# Altium PCB 1166V30.PcbDoc (part 1 of 6) (continued)
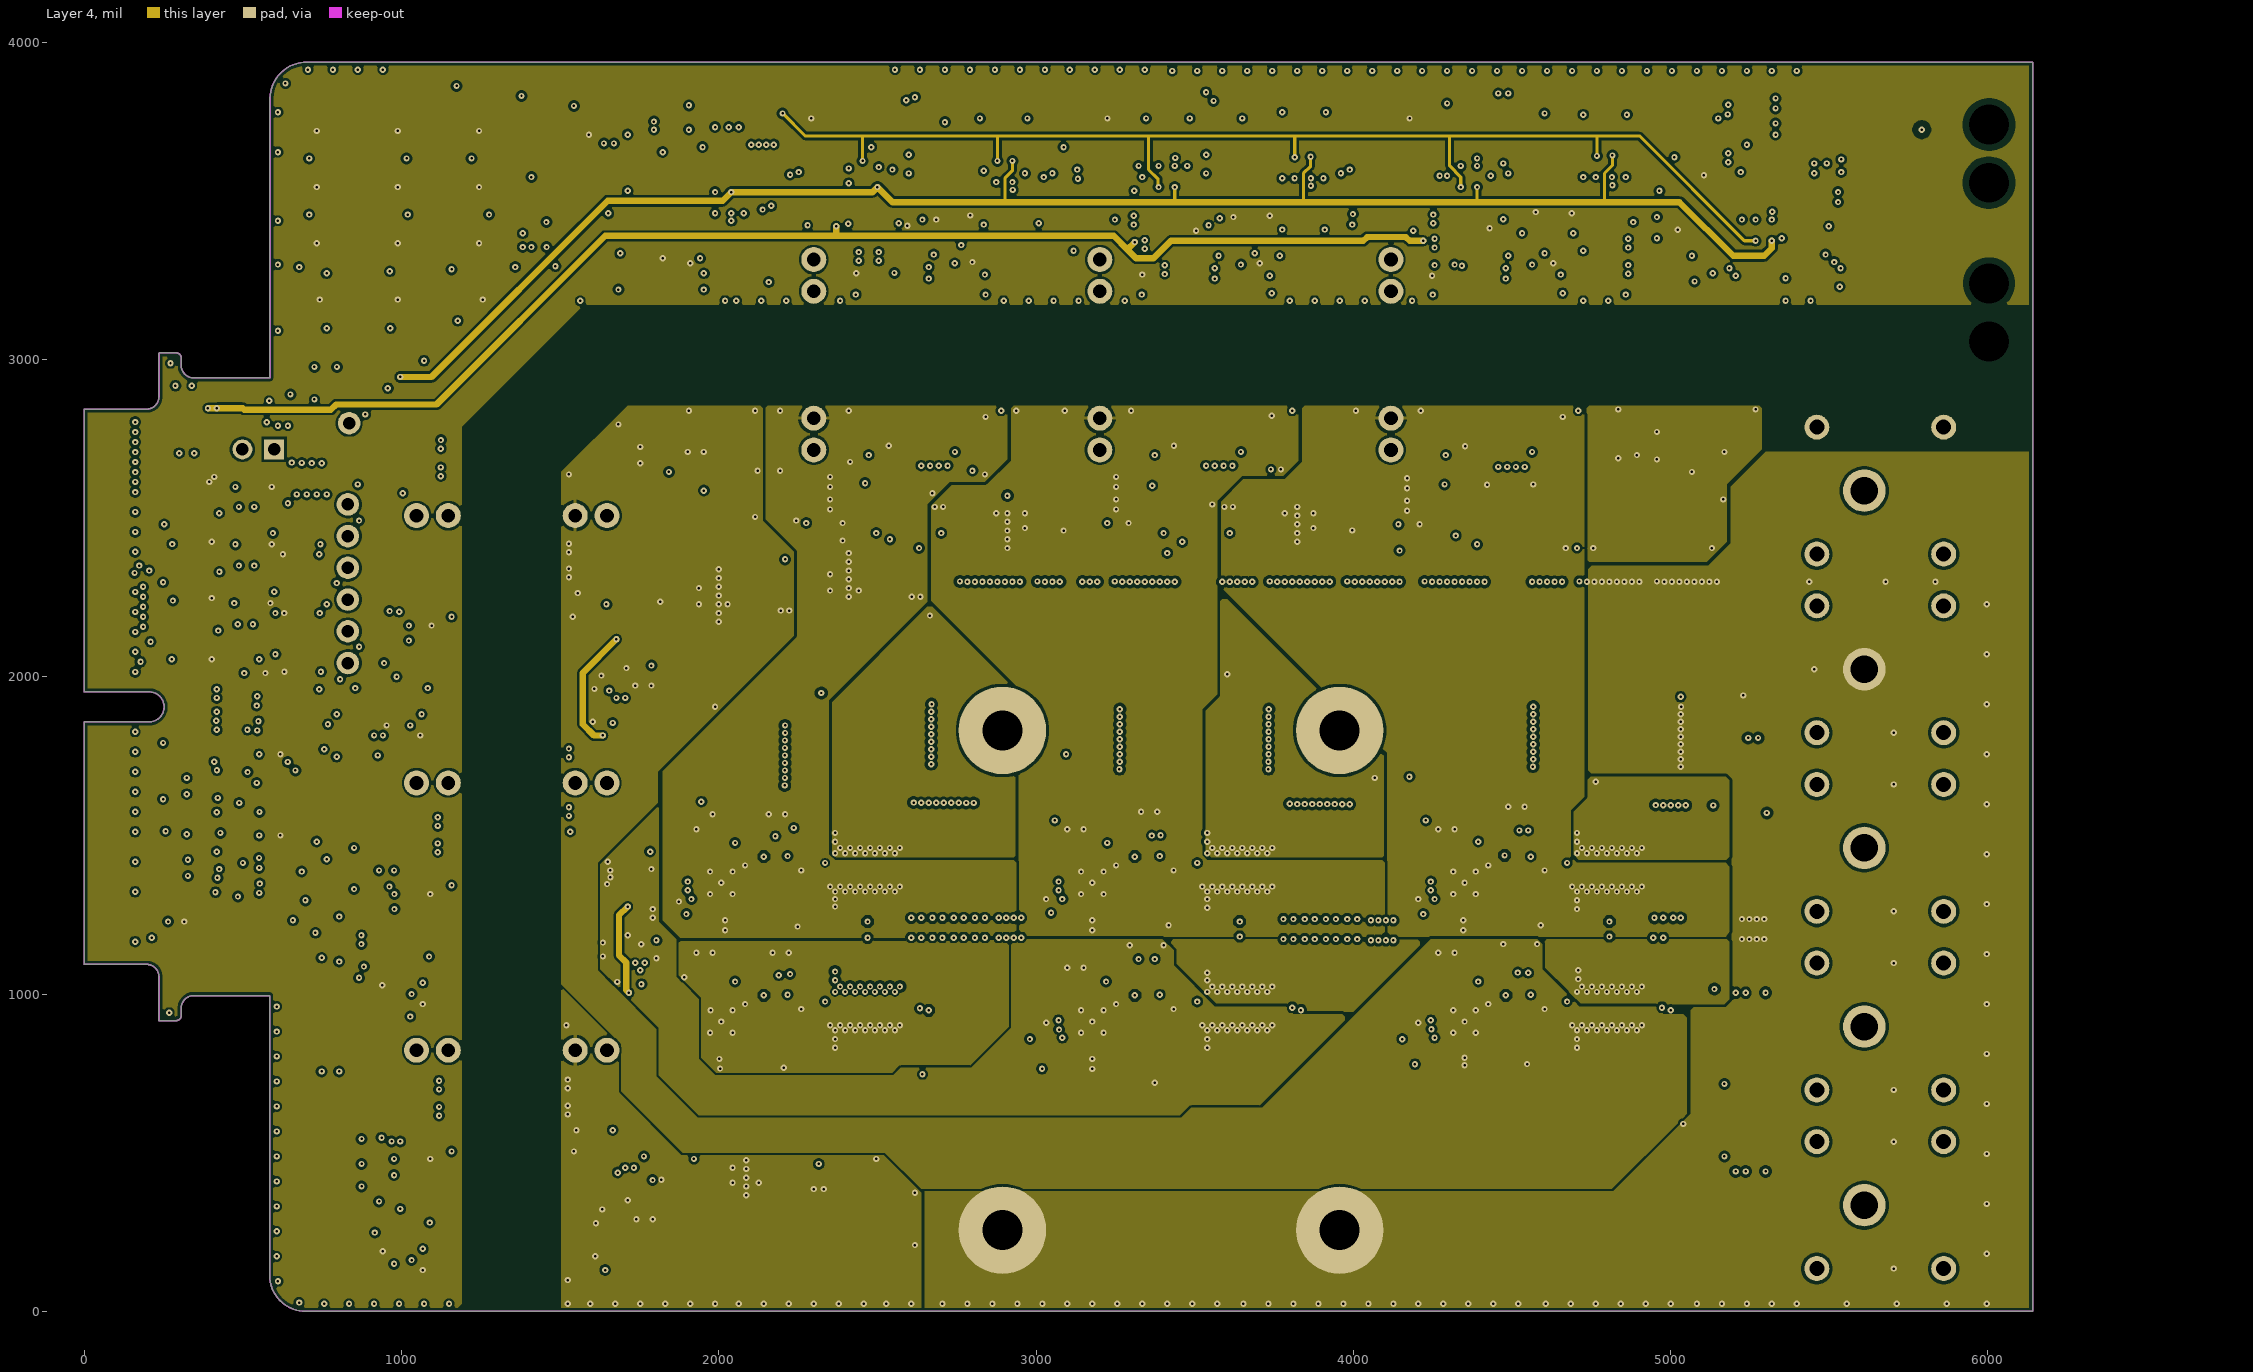
[diagram p5: Layer 4]
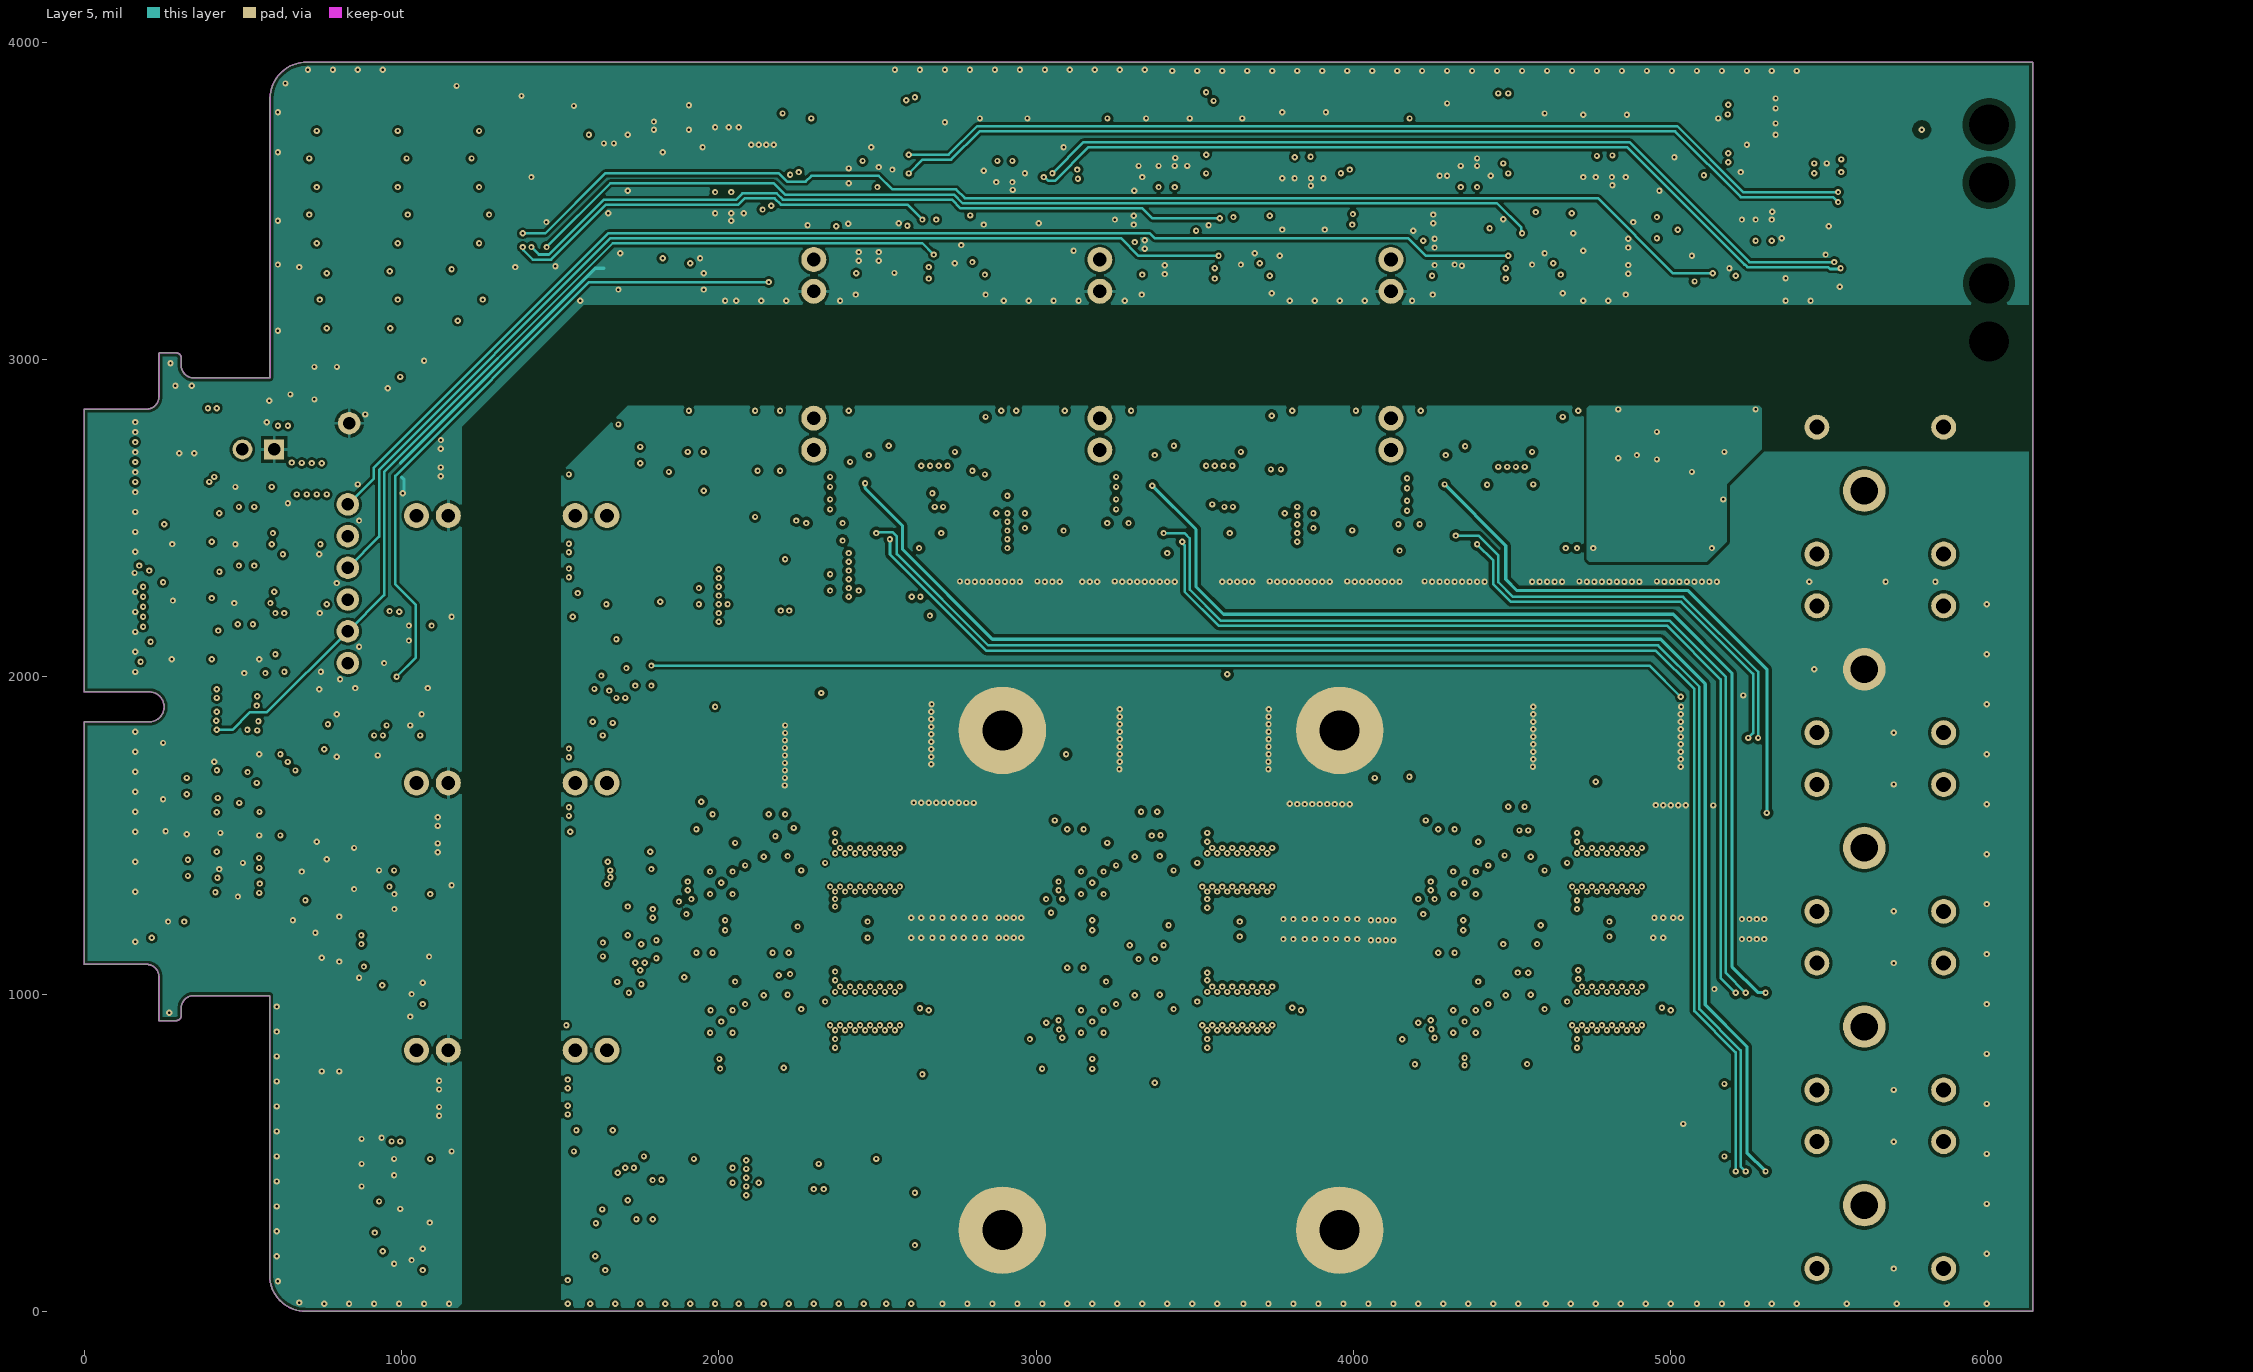
[diagram p6: Layer 5]
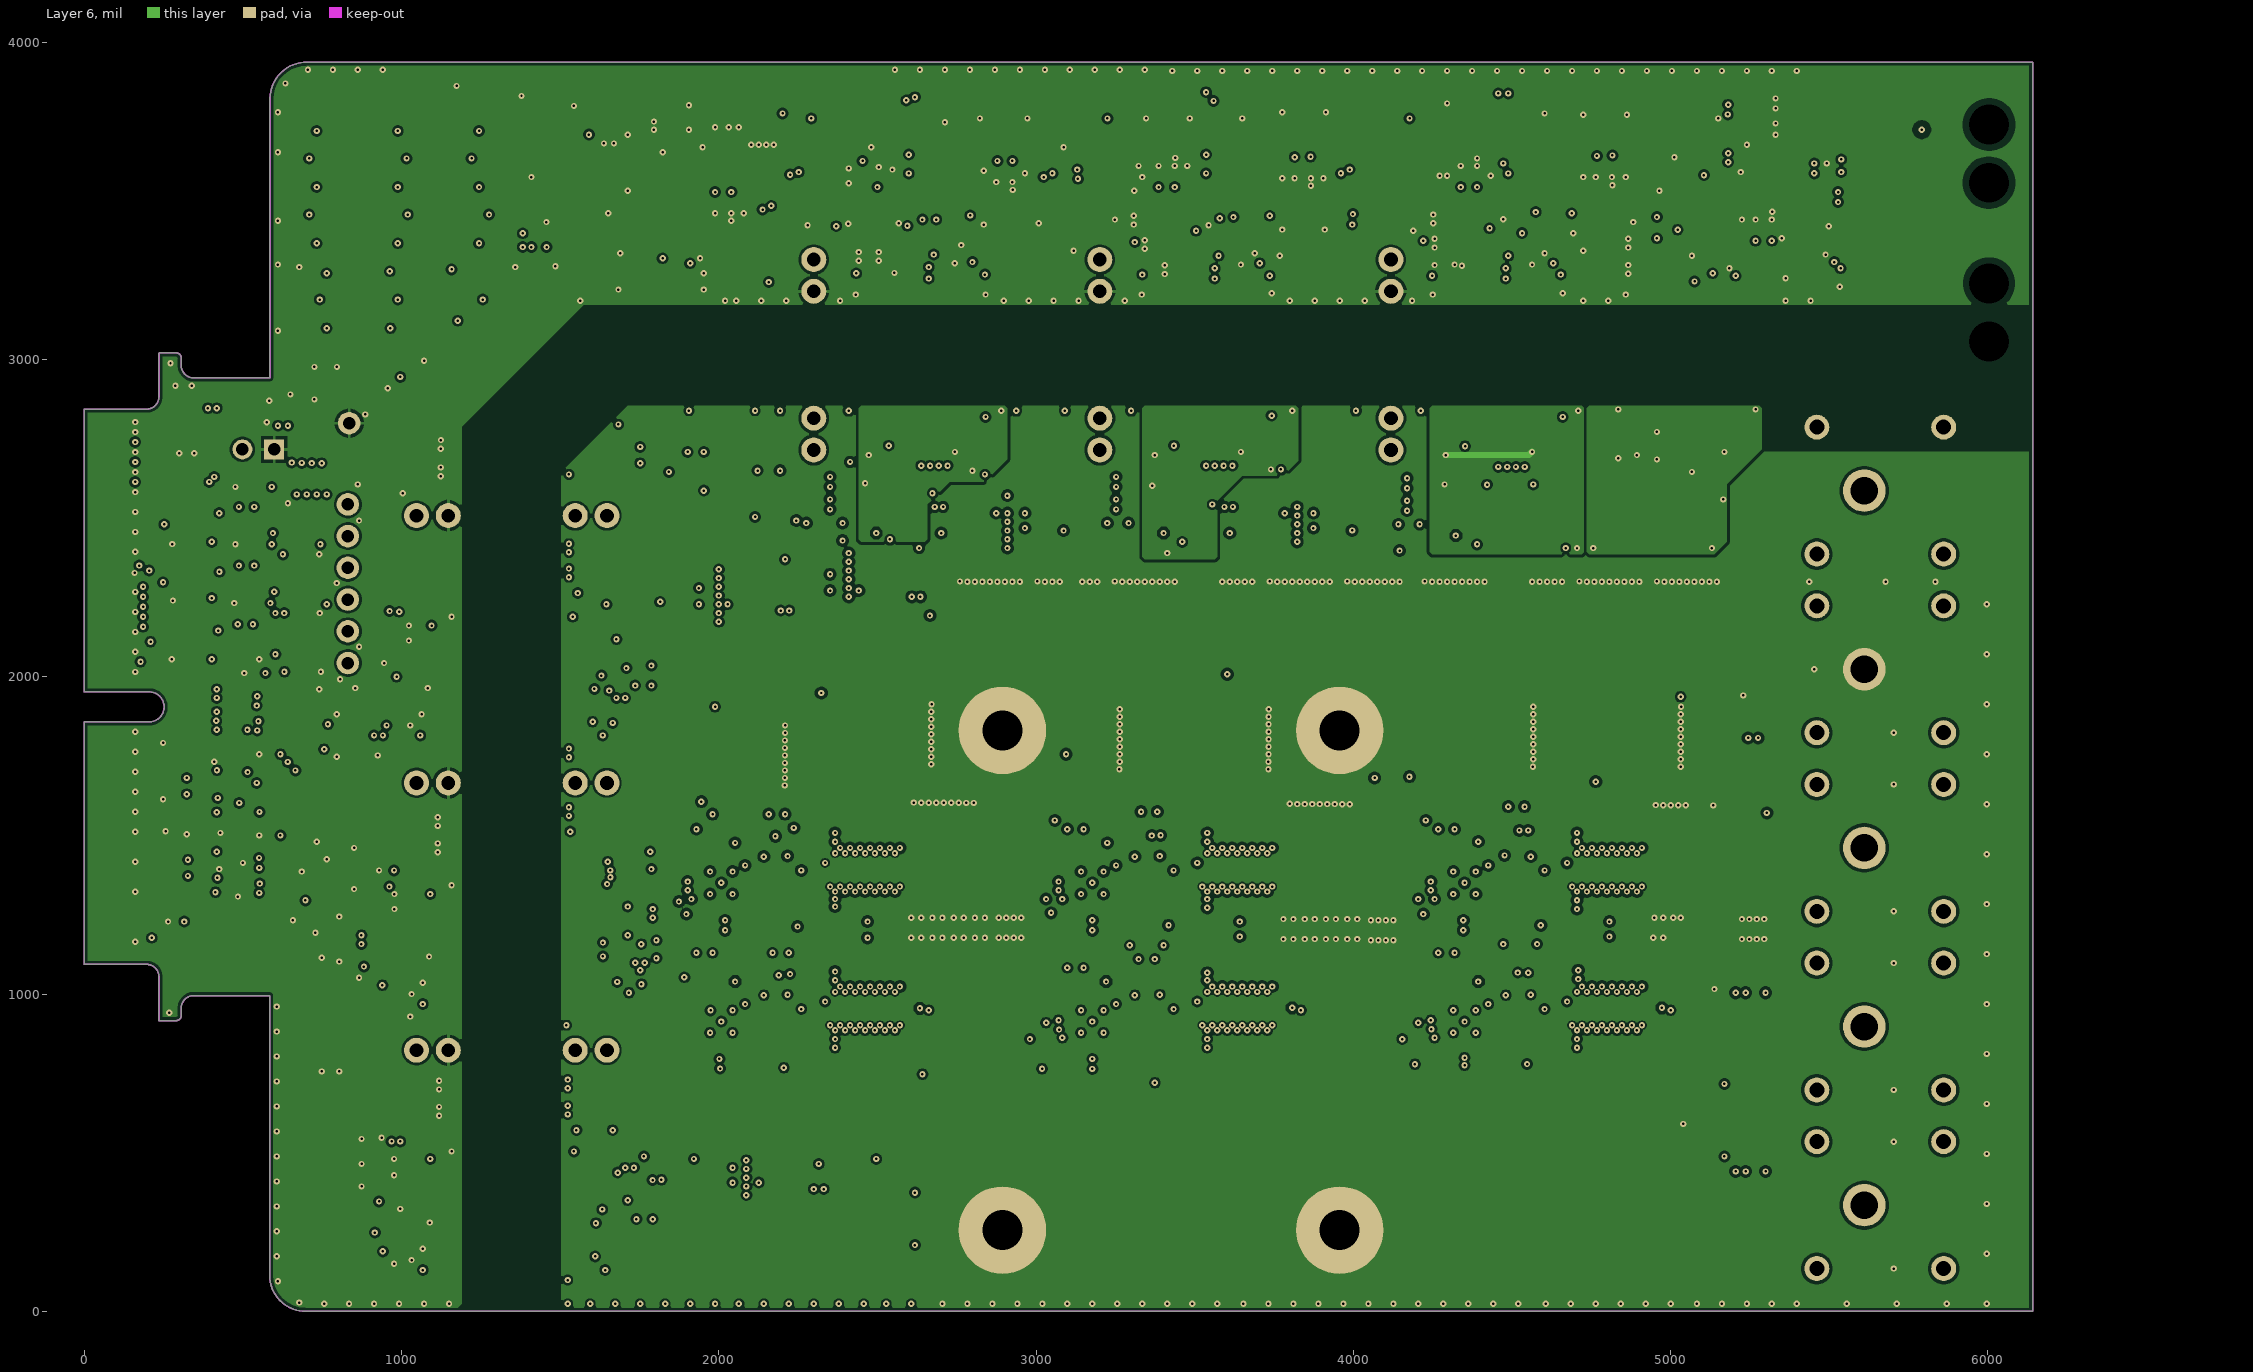
[diagram p7: Layer 6]

## Layer stack, top to bottom
Top Solder: solder mask 0.3941, Solder Resist, Dk 3.5
Top Layer: signal copper 1.4169
Dielectric 7: prepreg 8.2, PP-022, Dk 4.5
Layer 1: signal copper 1.378
Dielectric 4: prepreg 7.1, PP-021, Dk 4.7
Layer 2: signal copper 1.378
Dielectric 1: prepreg 7.1, PP-021, Dk 4.7
Layer 3: signal copper 1.378
Dielectric 2: prepreg 7.1, PP-021, Dk 4.7
Layer 4: signal copper 1.378
Dielectric 3: prepreg 7.1, PP-021, Dk 4.7
Layer 5: signal copper 1.378
Dielectric 5: prepreg 7.1, PP-021, Dk 4.7
Layer 6: signal copper 1.378
Dielectric 6: prepreg 8.2, PP-022, Dk 4.5
Bottom Layer: signal copper 1.4169
Bottom Solder: solder mask 0.3941, Solder Resist, Dk 3.5

## Board outline
0,1093.5 195.99,1093.5 cw(c195.99,1054.13) 235.36,1054.13 235.36,916.5 235.52,916.34 289.69,916.34 ccw(c289.69,932.09) 305.43,932.09 305.43,955.71 cw(c344.8,955.71) 344.8,995.08 345.32,994.72 583.9,994.72 583.9,114.17 ccw(c698.07,114.17) 698.07,0 6140.63,0 6140.63,3937.01 702.01,3937.01 ccw(c700.66,3821.48) 585.13,3822.83 585.13,2942.81 583.54,2941.93 344.8,2941.93 cw(c344.8,2981.3) 305.43,2981.3 305.43,3004.92 ccw(c289.69,3004.92) 289.69,3020.67 236.23,3020.67 235.36,3019.8 235.36,2882.87 cw(c195.99,2882.87) 195.99,2843.5 0,2843.5 -0.35,2843.15 -0.35,1952.4 204.37,1952.4 cw(c204.37,1905.16) 204.37,1857.91 -0.35,1857.91 -0.35,1093.86

## Design rules (kind name [scope] priority, off if disabled: settings)
Clearance Clearance_Q [WithinRoom('Room_Q201') or WithinRoom('Room_Q202') or WithinRoom('Room_Q301') or WithinRoom('Room_Q302') or WithinRoom('Room_Q401') or WithinRoom('Room_Q402')] p1: gap=5 ignorepadtopadclearanceinfootprint=FALSE
Clearance Clearance_IC [InComponent('IC102') or InComponent('IC106') or InComponent('IC110')  or InComponent('IC202')  or InComponent('IC208') or InComponent('IC302')  or InComponent('IC308') or InComponent('IC402')  or InComponent('IC408')] p2: gap=7.87 ignorepadtopadclearanceinfootprint=FALSE
Clearance Clearance_H3 [InNetClass('H3') vs not (InNetClass('H3') or InComponent('IC402') or InComponent('IC408') or OnLayer('Keep-Out Layer'))] p3: gap=10 ignorepadtopadclearanceinfootprint=FALSE
Clearance Clearance_H2 [InNetClass('H2') vs not (InNetClass('H2') or InComponent('IC302')  or InComponent('IC308') or OnLayer('Keep-Out Layer'))] p4: gap=10 ignorepadtopadclearanceinfootprint=FALSE
Clearance Clearance_H1 [InNetClass('H1') vs not (InNetClass('H1') or InComponent('IC202') or InComponent('IC208') or OnLayer('Keep-Out Layer'))] p5: gap=10 ignorepadtopadclearanceinfootprint=FALSE
Clearance Clearance_L [InNetClass('L') vs not (InNetClass('L') or InComponent('IC204') or InComponent('IC303') or InComponent('IC403') or OnLayer('Keep-Out Layer'))] p6: gap=10 ignorepadtopadclearanceinfootprint=FALSE
Clearance Clearance_24V [InNetClass('24V')] p7: gap=15 ignorepadtopadclearanceinfootprint=FALSE
Clearance Clearance_FE [InNet('FE*') vs not (OnLayer('Keep-Out Layer') or inComponent('J101'))] p8: gap=19.68 ignorepadtopadclearanceinfootprint=FALSE
Clearance Clearance_KeepOUT [(IsKeepOut)] p9: gap=9 ignorepadtopadclearanceinfootprint=FALSE
Clearance [All] p10: gap=8 ignorepadtopadclearanceinfootprint=FALSE
ComponentClearance [All] p1: gap=-78.74 collisioncheckmode=3 verticalgap=-10 showdistances=FALSE
DiffPairsRouting [All] p1: maxlimit=8 minlimit=8 mostfreqgap=8 toplayer_minwidth=8 toplayer_maxwidth=15 toplayer_prefwidth=15 midlayer1_minwidth=8 midlayer1_maxwidth=15 midlayer1_prefwidth=15 midlayer2_minwidth=8 midlayer2_maxwidth=15 midlayer2_prefwidth=15 midlayer3_minwidth=8 midlayer3_maxwidth=15 midlayer3_prefwidth=15 midlayer4_minwidth=8 midlayer4_maxwidth=15 midlayer4_prefwidth=15 midlayer5_minwidth=8 midlayer5_maxwidth=15 midlayer5_prefwidth=15 midlayer6_minwidth=8 midlayer6_maxwidth=15 midlayer6_prefwidth=15 bottomlayer_minwidth=8 bottomlayer_maxwidth=15 bottomlayer_prefwidth=15 maxuncoupledlength=500
FabricationTestPointUsage TestPointUsage [All] p1: valid=0 allowmultiple=FALSE
FabricationTestpoint Testpoint [All] p1: side=3 testpointundercomponent=TRUE minsize=40 maxsize=100 preferedsize=60 minholesize=0 maxholesize=40 preferedholesize=32 testpointgrid=1 allowsidetop=TRUE allowsidebottom=TRUE usegrid=TRUE gridtolerance=0.01
Height [All] p1: minheight=0 maxheight=2000 prefheight=500
HoleSize [All] p1: absolutevalues=TRUE maxlimit=1000 minlimit=1 maxpercent=80.000 minpercent=20.000
PlaneConnect [All] p1: planeconnectstyle=Relief reliefexpansion=20 reliefentries=4 reliefconductorwidth=30 reliefairgap=10
PolygonConnect PolygonConnect_ditrct_C [InComponent('C201') or InComponent('C202') or InComponent('C203') or InComponent('C204') or InComponent('C205') or InComponent('C301') or InComponent('C302') or InComponent('C303') or InComponent('C304') or InComponent('C305') or InComponent('C401') or InComponent('C402') or InComponent('C403') or InComponent('C404') or InComponent('C405') or InComponent('C521') or InComponent('C522') or InComponent('C523') or InComponent('C524') or InComponent('C525') or InComponent('C526') or InComponent('C527') or  InComponent('C543') or InComponent('C544') or InComponent('C545') or InComponent('C546') or InComponent('C547') or InComponent('C548') or InComponent('C549') or InComponent('C550') or InComponent('C551') or InComponent('C552') or InComponent('C553') or InComponent('C554')] p1: connectstyle=Direct reliefconductorwidth=10 reliefentries=4 polygonreliefangle="90 Angle" airgapwidth=10
PolygonConnect PolygonConnect_direct_RD [InComponent('R*19') or InComponent('R216') or InComponent('R231') or InComponent('R316') or InComponent('R331') or InComponent('R416') or InComponent('R431') or InComponent('R517') or InComponent('D202') or InComponent('D206') or InComponent('D302') or InComponent('D306') or InComponent('D402') or InComponent('D406')] p2: connectstyle=Direct reliefconductorwidth=10 reliefentries=4 polygonreliefangle="90 Angle" airgapwidth=10
PolygonConnect PolygonConnect_direct_Q [InComponent('Q20*') or InComponent('Q30*') or InComponent('Q40*') or InComponent('JX10*') or InComponent('J50*')] p3: connectstyle=Direct reliefconductorwidth=10 reliefentries=4 polygonreliefangle="90 Angle" airgapwidth=10
PolygonConnect PolygonConnect_via [(IsVia)] p4: connectstyle=Direct reliefconductorwidth=10 reliefentries=4 polygonreliefangle="90 Angle" airgapwidth=10
PolygonConnect [All] p5: connectstyle=Relief reliefconductorwidth=10 reliefentries=4 polygonreliefangle="90 Angle" airgapwidth=10
RoomDefinition Room_Q202 [False] p1: confinementstyle=ConfineIn formatcopy=TRUE lockcomponents=FALSE outline 4677.17,1015.75 4925.2,1015.75 4925.2,893.7 4677.17,893.7
RoomDefinition Room_Q201 [False] p2: confinementstyle=ConfineIn formatcopy=TRUE lockcomponents=FALSE outline 4677.17,1452.76 4925.2,1452.76 4925.2,1330.71 4677.17,1330.71
RoomDefinition Room_Q302 [False] p3: confinementstyle=ConfineIn formatcopy=TRUE lockcomponents=FALSE outline 3511.81,1015.75 3759.84,1015.75 3759.84,893.7 3511.81,893.7
RoomDefinition Room_Q402 [False] p4: confinementstyle=ConfineIn formatcopy=TRUE lockcomponents=FALSE outline 2338.58,1015.75 2586.61,1015.75 2586.61,893.7 2338.58,893.7
RoomDefinition Room_Q401 [False] p5: confinementstyle=ConfineIn formatcopy=TRUE lockcomponents=FALSE outline 2334.65,1452.76 2586.61,1452.76 2586.61,1330.71 2334.65,1330.71
RoomDefinition Room_Q301 [False] p6: confinementstyle=ConfineIn formatcopy=TRUE lockcomponents=FALSE outline 3511.81,1456.69 3515.75,1452.76 3759.84,1452.76 3759.84,1326.77 3511.81,1326.77
RoutingVias [All] p1: holewidth=7.87 width=19.68 viastyle="Through Hole" minholewidth=7.87 minwidth=19.68 maxholewidth=196.85 maxwidth=196.85
SilkToSolderMaskClearance SilkscreenOverComponentPads [IsPad] p1: minsilkscreentomaskgap=10 clearancetoexposedcopper=TRUE
SolderMaskExpansion SolderMaskExpansion_via [(IsVia)] p1: expansion=-40 istentingtop=FALSE
SolderMaskExpansion [All] p2: expansion=4 istentingtop=FALSE
Width Width_Trackend [All] p1: maxlimit=2000 minlimit=8 preferedwidth=8 checkconnectedcopper=TRUE
Width Width_Logo [incomponent('King*')] p2: maxlimit=10 minlimit=1 preferedwidth=10
Width [All] p3: maxlimit=1000 minlimit=8 preferedwidth=8
22 further rules are at their usual default settings.

## Classes and differential pairs
component class 1166V30-5: C501 C502 C503 C504 C505 C506 C507 C508 C509 C510 C511 C512 C513 C514 C515 C516 C517 C518 C519 C520 C521 C522 C523 C524 C525 C526 C527 C528 C529 C530 C531 C532 C533 C534 C535 C536 C537 C538 C539 C540 C541 C542 C543 C544 C545 C546 C547 C548 C549 C550 C551 C552 C553 C554 CF501 CF502 CF503 CF504 CF505 CF506 CF507 CF508 CF509 CF510 CF511 CF512 CF513 CF514 IC501 IC502 IC503 IC504 IC505 IC506 IC507 J501 J502 R501 R502 R503 R504 R505 R506 R507 R508 R509 R510 R511 R512 R513 R514 R515 R516 R517 R518 R519 R520 R521 R522 R523 R524 R525 R526 R527 R528 R529 R530 R531 R532 R533 R534 R535 R536 R537 R538 R539 R540 R541 R542 R543 R544 R545 R546
net class H3: 6P5V 6P12V M2W M6 NetC410_2 NetC416_1 NetC417_2 NetC419_1 NetC422_1 NetC424_1 NetC424_2 NetC425_2 NetCF403_1 NetIC401_11 NetIC401_13 NetIC402_2 NetIC402_3 NetIC402_7 NetIC404_3 NetIC404_5 NetIC404_6 NetIC406_5 NetIC406_6 NetIC406_10 NetIC406_11 NetQ401_1 SW_L3
net class H2: 4P5V 4P12V M2V M4 NetC310_2 NetC316_1 NetC317_2 NetC319_1 NetC322_1 NetC324_1 NetC324_2 NetC325_2 NetCF303_1 NetIC301_11 NetIC301_13 NetIC302_2 NetIC302_3 NetIC302_7 NetIC304_3 NetIC304_5 NetIC304_6 NetIC306_5 NetIC306_6 NetIC306_10 NetQ301_1 SW_L2
component class 1166V30-4: C401 C402 C403 C404 C405 C406 C407 C408 C409 C410 C411 C412 C413 C414 C415 C416 C417 C418 C419 C420 C421 C422 C423 C424 C425 C426 C427 C428 C429 C430 C431 C432 C433 C434 C435 C436 C437 C438 C439 C440 C441 C442 CF401 CF402 CF403 CF404 CF405 CF406 CF407 CF408 CF409 CF410 CF411 CF412 CF413 CF414 CF415 CF416 CF417 CF418 D401 D402 D403 D404 D405 D406 IC401 IC402 IC403 IC404 IC405 IC406 IC407 IC408 IC409 IC410 IC411 IC412 IC413 J401 L401 L402 L403 L404 PS401 PS402 Q401 Q402 R401 R402 R403 R404 R405 R406 R407 R408 R409 R410 R411 R412 R413 R414 R415 R416 R417 R418 R419 R420 R421 R422 R423 R424 R425 R426 R427 R428 R429 R430 R431 R432 R433 R434 R435 R436 R437 R438 R439 R440 R441 R442
component class 1166V30-3: C301 C302 C303 C304 C305 C306 C307 C308 C309 C310 C311 C312 C313 C314 C315 C316 C317 C318 C319 C320 C321 C322 C323 C324 C325 C326 C327 C328 C329 C330 C331 C332 C333 C334 C335 C336 C337 C338 C339 C340 C341 C342 CF301 CF302 CF303 CF304 CF305 CF306 CF307 CF308 CF309 CF310 CF311 CF312 CF313 CF314 CF315 CF316 CF317 CF318 D301 D302 D303 D304 D305 D306 IC301 IC302 IC303 IC304 IC305 IC306 IC307 IC308 IC309 IC310 IC311 IC312 IC313 J301 L301 L302 L303 L304 PS301 PS302 Q301 Q302 R301 R302 R303 R304 R305 R306 R307 R308 R309 R310 R311 R312 R313 R314 R315 R316 R317 R318 R319 R320 R321 R322 R323 R324 R325 R326 R327 R328 R329 R330 R331 R332 R333 R334 R335 R336 R337 R338 R339 R340 R341 R342
net class L: 1P5V 1P12V 3P5V 3P12V 5P5V 5P12V M1 M3 M5 MP NetC230_2 NetC233_1 NetC234_2 NetC237_2 NetC240_2 NetC330_2 NetC333_1 NetC334_2 NetC337_2 NetC340_2 NetC430_2 NetC433_1 NetC434_2 NetC437_2 NetC440_2 NetC518_2 NetCF209_1 NetCF309_1 NetCF409_1 NetIC208_2 NetIC208_3 NetIC208_7 NetIC209_3 NetIC209_5 NetIC209_6 NetIC211_5 NetIC211_6 NetIC211_10 NetIC308_2 NetIC308_3 NetIC308_7 NetIC309_3 NetIC309_5 NetIC309_6 NetIC311_5 NetIC311_6 NetIC311_10 NetIC408_2 NetIC408_3 NetIC408_7 NetIC409_3 NetIC409_5 NetIC409_6 NetIC411_5 NetIC411_6 NetIC411_10 NetIC411_11 NetQ202_1 NetQ302_1 NetQ402_1
net class H1: 2P5V 2P12V M2 M2U NetC210_2 NetC216_1 NetC217_2 NetC219_1 NetC222_1 NetC224_1 NetC224_2 NetC225_2 NetCF203_1 NetIC201_11 NetIC201_13 NetIC202_2 NetIC202_3 NetIC202_7 NetIC204_3 NetIC204_5 NetIC204_6 NetIC206_5 NetIC206_6 NetIC206_10 NetQ201_1 SW_L1
component class 1166V30-2: C201 C202 C203 C204 C205 C206 C207 C208 C209 C210 C211 C212 C213 C214 C215 C216 C217 C218 C219 C220 C221 C222 C223 C224 C225 C226 C227 C228 C229 C230 C231 C232 C233 C234 C235 C236 C237 C238 C239 C240 C241 C242 CF201 CF202 CF203 CF204 CF205 CF206 CF207 CF208 CF209 CF210 CF211 CF212 CF213 CF214 CF215 CF216 CF217 CF218 D201 D202 D203 D204 D205 D206 IC201 IC202 IC203 IC204 IC205 IC206 IC207 IC208 IC209 IC210 IC211 IC212 IC213 J201 L201 L202 L203 L204 PS201 PS202 Q201 Q202 R201 R202 R203 R204 R205 R206 R207 R208 R209 R210 R211 R212 R213 R214 R215 R216 R217 R218 R219 R220 R221 R222 R223 R224 R225 R226 R227 R228 R229 R230 R231 R232 R233 R234 R235 R236 R237 R238 R239 R240 R241 R242
component class 1166V30-1: C101 C102 C103 C104 C105 C106 C107 C108 C109 CF101 CF102 CF103 CF104 CF105 CF106 CF107 CF108 CF109 CF110 CF111 CF112 CX101 D101 IC101 IC102 IC103 IC104 IC105 IC106 IC107 IC108 IC109 IC110 IC111 IC112 IC113 J101 J102 J103 J104 JX101 JX102 JX103 JX104 KIng101 L101 L102 L103 LP101 P101 PM101 PM102 PM103 PM104 PM105 PM106 R101 R102 R103 R104 RX101 TP101 TP102 TP103 TP104 TP105 TP106 TP107
